# Altium PCB SAMA5D27-SOM1-MFG-03.PcbDoc (part 5 of 6)
Units mm, origin at the board's own origin, x right, y up, seen from the top; angles counter-clockwise.
Board outline 40.03 x 38.03 mm, 6 copper layers (TOP, GND, IN2, IN3, PWR, BOTTOM), stack 1.24 mm thick; 188 components, 224 nets, 901 pads, 644 vias.
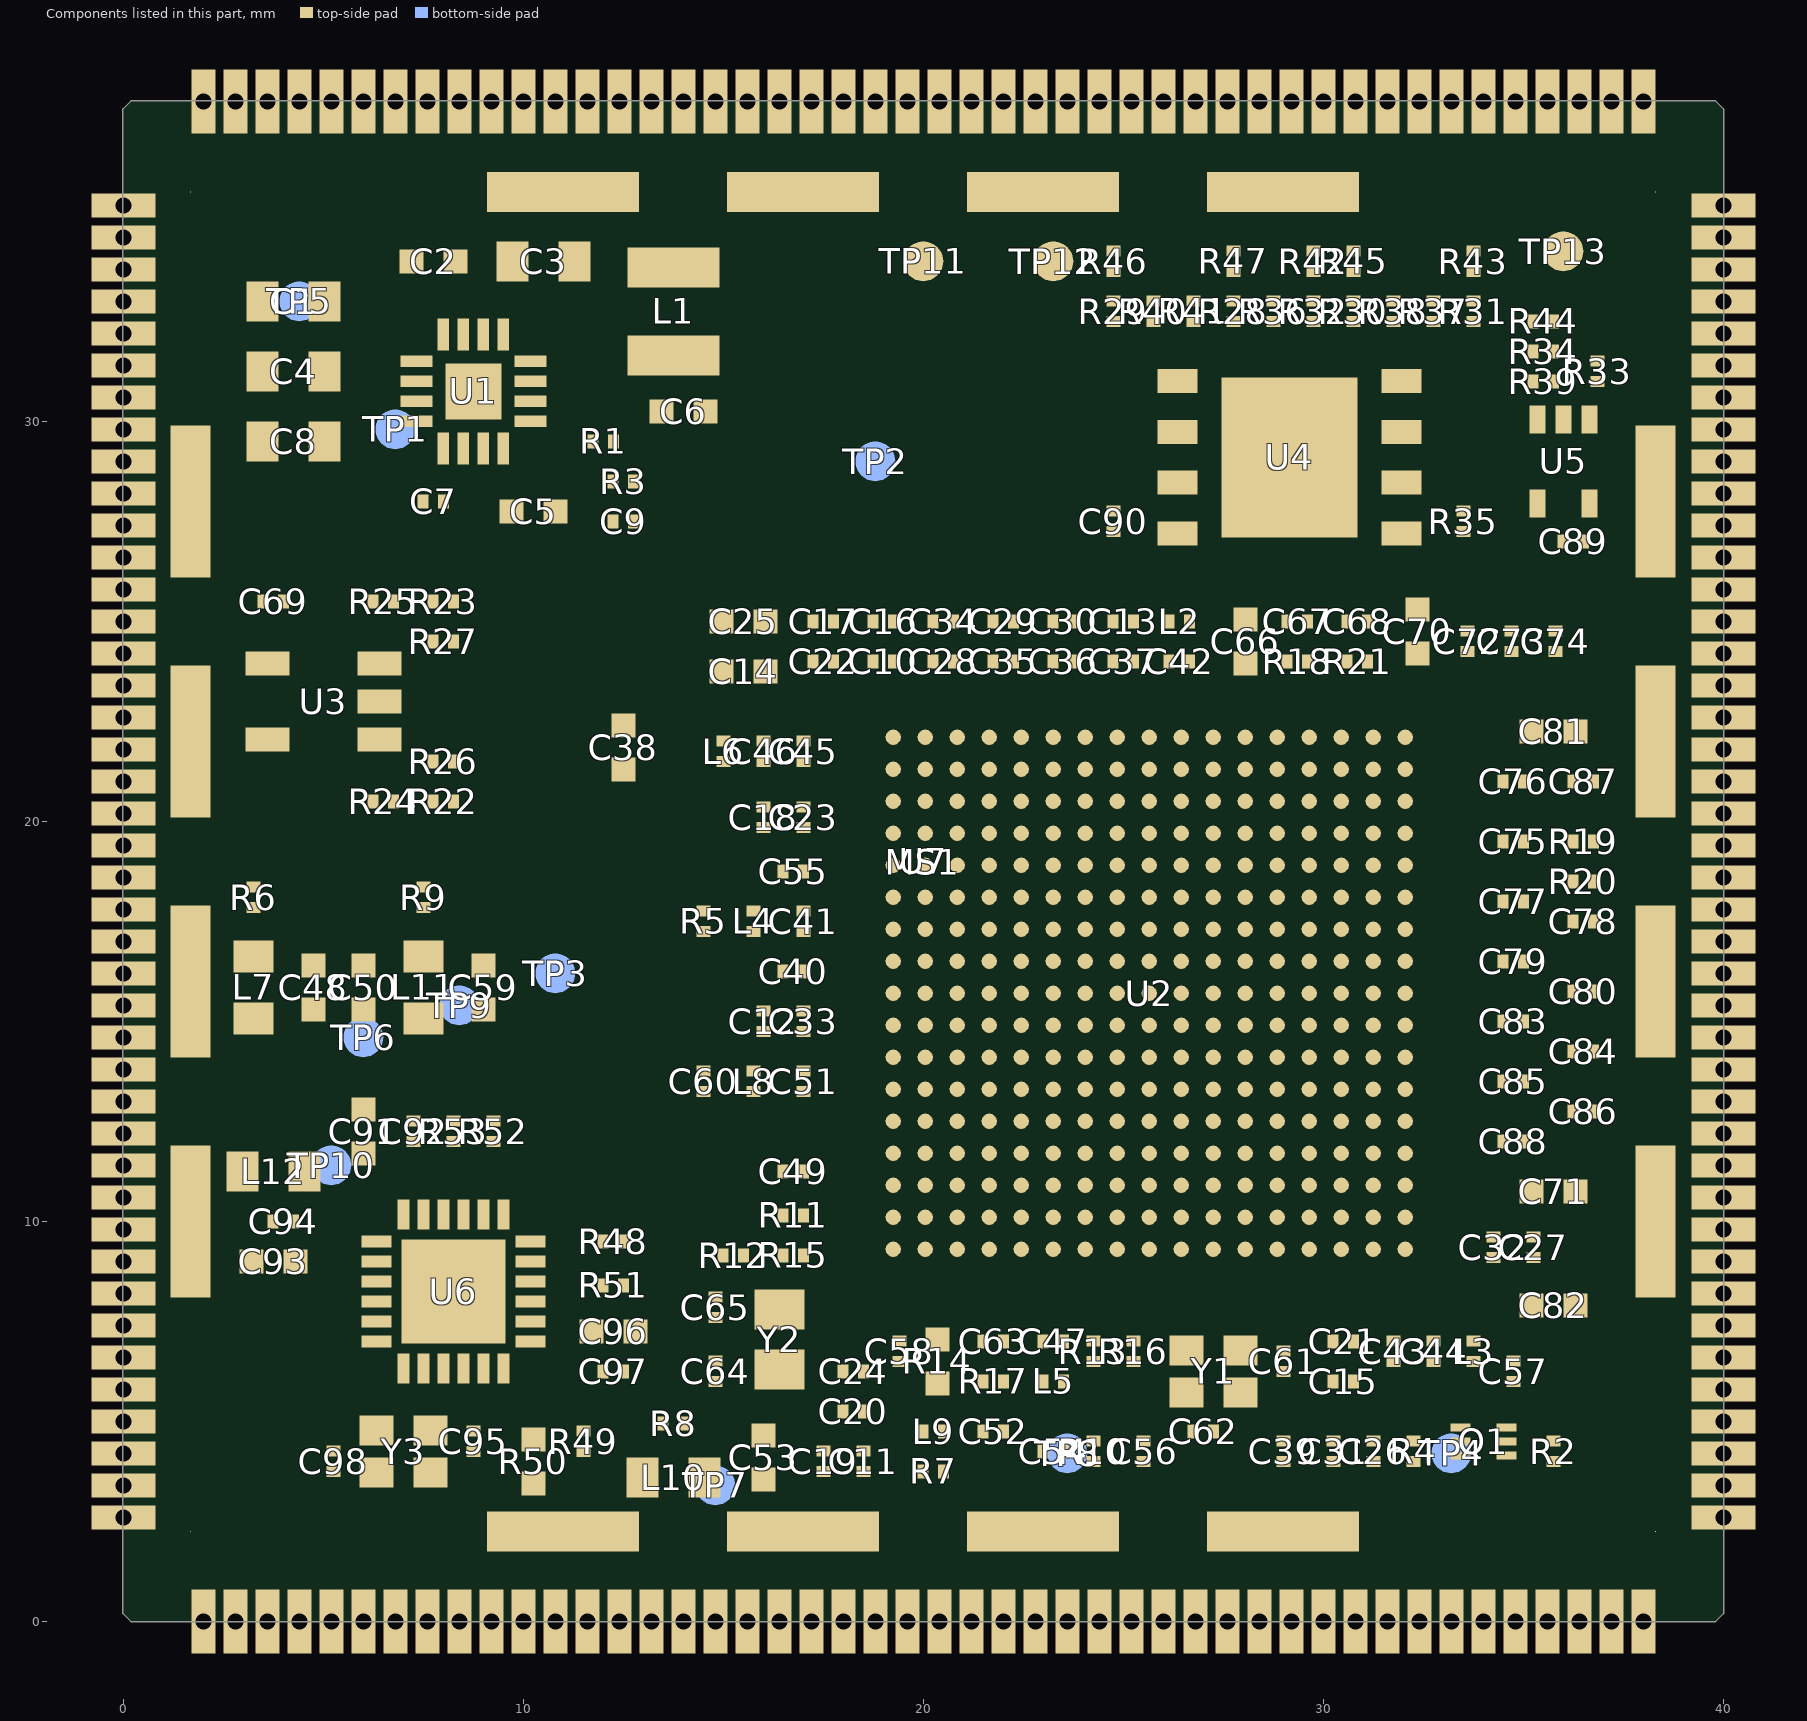
[diagram p9: the components of this part, seen from the top]

## Polygon pours and split planes (outlines as drawn) (continued)
GND on IN2 "IN2-GND 47" (solid, remove dead copper, pour order 1925): 38 vertices, not listed, extent 19.795,33.534 22.455,36.9
GND on IN2 "IN2-GND 48" (solid, remove dead copper, pour order 1933): 318 vertices, not listed, extent 34.495,32.595 38.9,36.9
GND on IN2 "IN2-GND 49" (solid, remove dead copper, pour order 1910): 36 vertices, not listed, extent 1.1,29.195 3.216,30.605
GND on IN2 "IN2-GND 50" (solid, remove dead copper, pour order 1919): 38 vertices, not listed, extent 18.995,32.384 22.205,36.9
GND on IN2 "IN2-GND 51" (solid, remove dead copper, pour order 1946): 67 vertices, not listed, extent 11.839,27.184 19.805,36.9
GND on IN2 "IN2-GND 52" (solid, remove dead copper, pour order 1886): 84 vertices, not listed, extent 24.545,26.7 25.655,28.616
GND on IN2 "IN2-GND 53" (solid, remove dead copper, pour order 1895): 64 vertices, not listed, extent 37.409,23.595 38.9,24.717
GND on IN2 "IN2-GND 54" (solid, remove dead copper, pour order 1892): 70 vertices, not listed, extent 20.945,23.743 21.43,26.808
GND on IN2 "IN2-GND 55" (solid, remove dead copper, pour order 1889): 63 vertices, not listed, extent 23.845,23.581 24.455,25.272
GND on IN2 "IN2-GND 56" (solid, remove dead copper, pour order 1888): 36 vertices, not listed, extent 22.344,23.581 22.955,25.349
GND on IN2 "IN2-GND 57" (solid, remove dead copper, pour order 1941): 86 vertices, not listed, extent 1.1,21.195 7.748,24.805
GND on IN2 "IN2-GND 58" (solid, remove dead copper, pour order 1881): 37 vertices, not listed, extent 19.545,23.678 19.955,25.299
GND on IN2 "IN2-GND 59" (solid, remove dead copper, pour order 1894): 65 vertices, not listed, extent 11.584,21.095 14.547,21.555
GND on IN2 "IN2-GND 60" (solid, remove dead copper, pour order 1944): 376 vertices, not listed, extent 1.1,18.445 10.616,22.455
GND on IN2 "IN2-GND 61" (solid, remove dead copper, pour order 1884): 114 vertices, not listed, extent 26.35,17.495 28.15,17.905
GND on IN2 "IN2-GND 62" (solid, remove dead copper, pour order 1909): 23 vertices, not listed, extent 1.1,17.195 2.928,18.655
GND on IN2 "IN2-GND 63" (solid, remove dead copper, pour order 1905): 123 vertices, not listed, extent 31.15,17.495 34.215,18.805
GND on IN2 "IN2-GND 64" (solid, remove dead copper, pour order 1929): 241 vertices, not listed, extent 1.1,16.395 10.516,17.438
GND on IN2 "IN2-GND 65" (solid, remove dead copper, pour order 1893): 92 vertices, not listed, extent 15.455,16.08 17.204,17.137
GND on IN2 "IN2-GND 66" (solid, remove dead copper, pour order 1879): 90 vertices, not listed, extent 26.645,14 27.366,15.205
GND on IN2 "IN2-GND 67" (solid, remove dead copper, pour order 1880): 65 vertices, not listed, extent 32.034,13.845 33.501,14.44
GND on IN2 "IN2-GND 68" (solid, remove dead copper, pour order 1901): 47 vertices, not listed, extent 36.449,13.195 38.9,14.803
GND on IN2 "IN2-GND 69" (solid, remove dead copper, pour order 1900): 118 vertices, not listed, extent 29.045,13.2 33.64,15.105
GND on IN2 "IN2-GND 70" (solid, remove dead copper, pour order 1902): 38 vertices, not listed, extent 36.945,11.995 38.9,13.416
GND on IN2 "IN2-GND 71" (solid, remove dead copper, pour order 1878): 122 vertices, not listed, extent 27.13,11.095 28.655,11.838
GND on IN2 "IN2-GND 72" (solid, remove dead copper, pour order 1897): 65 vertices, not listed, extent 35.55,9.289 38.9,10.405
GND on IN2 "IN2-GND 73" (solid, remove dead copper, pour order 1906): 74 vertices, not listed, extent 31.945,1.1 33.805,3.249
GND on IN2 "IN2-GND 74" (solid, remove dead copper, pour order 1922): 245 vertices, not listed, extent 29.827,1.1 32.205,6.305
GND on IN2 "IN2-GND 75" (solid, remove dead copper, pour order 1936): 229 vertices, not listed, extent 26.995,1.1 31.405,6.422
GND on IN2 "IN2-GND 76" (solid, remove dead copper, pour order 1921): 202 vertices, not listed, extent 24.422,1.1 28.105,8.647
GMDC_PD17 on IN2 "IN2-GMDC_PD17" (solid, remove dead copper, pour order 1772): 34 vertices, not listed, extent 18.424,14.317 18.861,14.683
GMDC_PD17 on IN2 "IN2-GMDC_PD17 1" (solid, remove dead copper, pour order 1745): 34 vertices, not listed, extent 10.339,14.567 10.776,14.933
GRXDV_PD11 on IN2 "IN2-GRXDV_PD11" (solid, remove dead copper, pour order 1806): 34 vertices, not listed, extent 19.336,14.186 19.722,14.572
GRXDV_PD11 on IN2 "IN2-GRXDV_PD11 1" (solid, remove dead copper, pour order 1770): 34 vertices, not listed, extent 11.589,13.167 12.026,13.533
PB06/TIOA2/PWML2/QSPI1_CS on IN2 "IN2-PB06/TIOA2/PWML2/QSPI1_CS" (solid, remove dead copper, pour order 1865): 34 vertices, not listed, extent 35.441,32.736 35.827,33.122
GTX1_PD16 on IN2 "IN2-GTX1_PD16" (solid, remove dead copper, pour order 1755): 34 vertices, not listed, extent 8.317,11.239 8.683,11.676
GTX1_PD16 on IN2 "IN2-GTX1_PD16 1" (solid, remove dead copper, pour order 1777): 34 vertices, not listed, extent 18.424,13.517 18.861,13.883
QSPI_IO0_PB07 on IN2 "IN2-QSPI_IO0_PB07" (solid, remove dead copper, pour order 1861): 34 vertices, not listed, extent 29.128,33.431 29.514,33.817
QSPI_IO0_PB07 on IN2 "IN2-QSPI_IO0_PB07 1" (solid, remove dead copper, pour order 1852): 34 vertices, not listed, extent 21.978,19.786 22.364,20.172
QSPI_IO1_PB08 on IN2 "IN2-QSPI_IO1_PB08" (solid, remove dead copper, pour order 1831): 34 vertices, not listed, extent 32.886,33.431 33.272,33.817
QSPI_IO1_PB08 on IN2 "IN2-QSPI_IO1_PB08 1" (solid, remove dead copper, pour order 1847): 34 vertices, not listed, extent 21.978,18.986 22.364,19.372
QSPI_IO2_PB09 on IN2 "IN2-QSPI_IO2_PB09" (solid, remove dead copper, pour order 1867): 34 vertices, not listed, extent 30.986,33.673 31.372,34.059
QSPI_IO2_PB09 on IN2 "IN2-QSPI_IO2_PB09 1" (solid, remove dead copper, pour order 1834): 34 vertices, not listed, extent 22.778,20.586 23.164,20.972
QSPI_IO3_PB10 on IN2 "IN2-QSPI_IO3_PB10" (solid, remove dead copper, pour order 1827): 34 vertices, not listed, extent 25.228,33.431 25.614,33.817
QSPI_IO3_PB10 on IN2 "IN2-QSPI_IO3_PB10 1" (solid, remove dead copper, pour order 1758): 34 vertices, not listed, extent 25.339,22.417 25.776,22.783
QSPI_SCK_PB05 on IN2 "IN2-QSPI_SCK_PB05" (solid, remove dead copper, pour order 1781): 34 vertices, not listed, extent 27.017,33.319 27.383,33.756
QSPI_SCK_PB05 on IN2 "IN2-QSPI_SCK_PB05 1" (solid, remove dead copper, pour order 1789): 34 vertices, not listed, extent 26.667,22.489 27.033,22.926
N557076 on IN2 "IN2-N557076" (solid, remove dead copper, pour order 1833): 34 vertices, not listed, extent 17.528,8.436 17.914,8.822
N557076 on IN2 "IN2-N557076 1" (solid, remove dead copper, pour order 1845): 34 vertices, not listed, extent 20.936,10.186 21.322,10.572
VDDIODDR on IN2 "IN2-VDDIODDR" (solid, remove dead copper, pour order 1871): 34 vertices, not listed, extent 11.836,34.228 12.222,34.614
VDDIODDR on IN2 "IN2-VDDIODDR 1" (solid, remove dead copper, pour order 1791): 34 vertices, not listed, extent 6.367,31.489 6.733,31.926
PB05/TCLK2/PWMH2/QSPI1_SCK on IN2 "IN2-PB05/TCLK2/PWMH2/QSPI1_SCK" (solid, remove dead copper, pour order 1846): 34 vertices, not listed, extent 27.678,34.678 28.064,35.064
ETH_RXM on IN2 "IN2-ETH_RXM" (solid, remove dead copper, pour order 1735): 32 vertices, not listed, extent 2.573,6.284 2.907,6.618
PB10/TIOB3/PWMEXTRG1/QSPI1_IO3 on IN2 "IN2-PB10/TIOB3/PWMEXTRG1/QSPI1_IO3" (solid, remove dead copper, pour order 1824): 34 vertices, not listed, extent 24.678,34.678 25.064,35.064
ETH_RXP on IN2 "IN2-ETH_RXP" (solid, remove dead copper, pour order 1737): 32 vertices, not listed, extent 2.573,5.782 2.907,6.116
PB09/TIOA3/PWMFI1/QSPI1_IO2 on IN2 "IN2-PB09/TIOA3/PWMFI1/QSPI1_IO2" (solid, remove dead copper, pour order 1744): 34 vertices, not listed, extent 30.739,34.567 31.176,34.933
PB08/TCLK3/PWML3/QSPI1_IO1 on IN2 "IN2-PB08/TCLK3/PWML3/QSPI1_IO1" (solid, remove dead copper, pour order 1799): 34 vertices, not listed, extent 34.117,33.829 34.483,34.266
ETH_TXM on IN2 "IN2-ETH_TXM" (solid, remove dead copper, pour order 1736): 32 vertices, not listed, extent 2.477,3.884 2.811,4.218
ETH_TXP on IN2 "IN2-ETH_TXP" (solid, remove dead copper, pour order 1734): 32 vertices, not listed, extent 2.477,3.382 2.811,3.716
PB07/TIOB2/PWMH3/QSPI1_IO0 on IN2 "IN2-PB07/TIOB2/PWMH3/QSPI1_IO0" (solid, remove dead copper, pour order 1855): 34 vertices, not listed, extent 29.678,34.678 30.064,35.064
PC00/LCDDAT21/FLEXCOM0_IO4 on IN2 "IN2-PC00/LCDDAT21/FLEXCOM0_IO4" (solid, remove dead copper, pour order 1750): 34 vertices, not listed, extent 37.217,22.274 37.583,22.711
PC00/LCDDAT21/FLEXCOM0_IO4 on IN2 "IN2-PC00/LCDDAT21/FLEXCOM0_IO4 1" (solid, remove dead copper, pour order 1821): 34 vertices, not listed, extent 26.778,12.028 27.164,12.414
PC02/LCDDAT23/CANRX0/SPI1_MOSI/ on IN2 "IN2-PC02/LCDDAT23/CANRX0/SPI1_MOSI/" (solid, remove dead copper, pour order 1832): 34 vertices, not listed, extent 36.928,21.536 37.314,21.922
PC02/LCDDAT23/CANRX0/SPI1_MOSI/ on IN2 "IN2-PC02/LCDDAT23/CANRX0/SPI1_MOSI/ 1" (solid, remove dead copper, pour order 1807): 34 vertices, not listed, extent 25.978,12.028 26.364,12.414
PC07/LCDPCK/TWCK1/SPI1_NPCS3/UR on IN2 "IN2-PC07/LCDPCK/TWCK1/SPI1_NPCS3/UR" (solid, remove dead copper, pour order 1785): 34 vertices, not listed, extent 33.324,13.167 33.761,13.533
PC07/LCDPCK/TWCK1/SPI1_NPCS3/UR on IN2 "IN2-PC07/LCDPCK/TWCK1/SPI1_NPCS3/UR 1" (solid, remove dead copper, pour order 1854): 34 vertices, not listed, extent 30.778,12.828 31.164,13.214
PB30/LCDDAT19/FLEXCOM0_IO2/TCLK on IN2 "IN2-PB30/LCDDAT19/FLEXCOM0_IO2/TCLK" (solid, remove dead copper, pour order 1756): 34 vertices, not listed, extent 10.664,23.742 11.101,24.108
PB30/LCDDAT19/FLEXCOM0_IO2/TCLK on IN2 "IN2-PB30/LCDDAT19/FLEXCOM0_IO2/TCLK 1" (solid, remove dead copper, pour order 1802): 34 vertices, not listed, extent 19.336,20.586 19.722,20.972
PB29/LCDDAT18/FLEXCOM0_IO1/TIOB on IN2 "IN2-PB29/LCDDAT18/FLEXCOM0_IO1/TIOB" (solid, remove dead copper, pour order 1815): 34 vertices, not listed, extent 34.186,21.886 34.572,22.272
PB29/LCDDAT18/FLEXCOM0_IO1/TIOB on IN2 "IN2-PB29/LCDDAT18/FLEXCOM0_IO1/TIOB 1" (solid, remove dead copper, pour order 1872): 34 vertices, not listed, extent 24.378,17.386 24.764,17.772
PB28/LCDDAT17/FLEXCOM0_IO0/TIOA on IN2 "IN2-PB28/LCDDAT17/FLEXCOM0_IO0/TIOA" (solid, remove dead copper, pour order 1809): 34 vertices, not listed, extent 10.603,22.411 10.989,22.797
PB28/LCDDAT17/FLEXCOM0_IO0/TIOA on IN2 "IN2-PB28/LCDDAT17/FLEXCOM0_IO0/TIOA 1" (solid, remove dead copper, pour order 1816): 34 vertices, not listed, extent 19.336,19.786 19.722,20.172
PB25/LCDDAT14/RF0/FLEXCOM3_IO4 on IN2 "IN2-PB25/LCDDAT14/RF0/FLEXCOM3_IO4" (solid, remove dead copper, pour order 1792): 34 vertices, not listed, extent 20.267,22.489 20.633,22.926
PB24/LCDDAT13/RK0/TCLK2/FLEXCOM on IN2 "IN2-PB24/LCDDAT13/RK0/TCLK2/FLEXCOM" (solid, remove dead copper, pour order 1808): 34 vertices, not listed, extent 10.603,21.161 10.989,21.547
PB24/LCDDAT13/RK0/TCLK2/FLEXCOM on IN2 "IN2-PB24/LCDDAT13/RK0/TCLK2/FLEXCOM 1" (solid, remove dead copper, pour order 1810): 34 vertices, not listed, extent 19.336,18.986 19.722,19.372
PB23/LCDDAT12/RD0/TIOB2/FLEXCOM on IN2 "IN2-PB23/LCDDAT12/RD0/TIOB2/FLEXCOM" (solid, remove dead copper, pour order 1862): 34 vertices, not listed, extent 20.136,21.628 20.522,22.014
PB22/LCDDAT11/TD0/TIOA2/FLEXCOM on IN2 "IN2-PB22/LCDDAT11/TD0/TIOA2/FLEXCOM" (solid, remove dead copper, pour order 1823): 34 vertices, not listed, extent 16.728,22.936 17.114,23.322
PB22/LCDDAT11/TD0/TIOA2/FLEXCOM on IN2 "IN2-PB22/LCDDAT11/TD0/TIOA2/FLEXCOM 1" (solid, remove dead copper, pour order 1843): 34 vertices, not listed, extent 20.136,20.828 20.522,21.214
PB20/LCDDAT9/TK0/TIOB3/PCK1 on IN2 "IN2-PB20/LCDDAT9/TK0/TIOB3/PCK1" (solid, remove dead copper, pour order 1753): 34 vertices, not listed, extent 21.067,22.489 21.433,22.926
PB19/LCDDAT8/RF1/TIOA3 on IN2 "IN2-PB19/LCDDAT8/RF1/TIOA3" (solid, remove dead copper, pour order 1873): 34 vertices, not listed, extent 20.936,21.628 21.322,22.014
PB18/LCDDAT7/RK1/I2SDO1 on IN2 "IN2-PB18/LCDDAT7/RK1/I2SDO1" (solid, remove dead copper, pour order 1738): 33 vertices, not listed, extent 21.872,22.489 22.228,22.886
PB17/LCDDAT6/RD1/I2SDI1 on IN2 "IN2-PB17/LCDDAT6/RD1/I2SDI1" (solid, remove dead copper, pour order 1786): 34 vertices, not listed, extent 21.042,27.064 21.408,27.501
PB16/LCDDAT5/TD1/I2SWS1 on IN2 "IN2-PB16/LCDDAT5/TD1/I2SWS1" (solid, remove dead copper, pour order 1835): 34 vertices, not listed, extent 21.736,21.628 22.122,22.014
PB14/LCDDAT3/TK1/I2SMCK1 on IN2 "IN2-PB14/LCDDAT3/TK1/I2SMCK1" (solid, remove dead copper, pour order 1790): 34 vertices, not listed, extent 22.667,22.489 23.033,22.926
PB13/LCDDAT2/PCK1 on IN2 "IN2-PB13/LCDDAT2/PCK1" (solid, remove dead copper, pour order 1754): 34 vertices, not listed, extent 21.817,27.539 22.183,27.976
PB12/LCDDAT1/UTXD3/PDMCLK0 on IN2 "IN2-PB12/LCDDAT1/UTXD3/PDMCLK0" (solid, remove dead copper, pour order 1874): 34 vertices, not listed, extent 22.536,21.628 22.922,22.014
PB11/LCDDAT0/URXD3/PDMDAT0 on IN2 "IN2-PB11/LCDDAT0/URXD3/PDMDAT0" (solid, remove dead copper, pour order 1856): 34 vertices, not listed, extent 23.336,22.428 23.722,22.814
PD01/A24 on IN2 "IN2-PD01/A24" (solid, remove dead copper, pour order 1800): 34 vertices, not listed, extent 32.339,22.767 32.776,23.133
PA09/SDMMC0_DAT7/TIOA4/FLEXCOM2 on IN2 "IN2-PA09/SDMMC0_DAT7/TIOA4/FLEXCOM2" (solid, remove dead copper, pour order 1858): 34 vertices, not listed, extent 25.236,7.478 25.622,7.864
PA09/SDMMC0_DAT7/TIOA4/FLEXCOM2 on IN2 "IN2-PA09/SDMMC0_DAT7/TIOA4/FLEXCOM2 1" (solid, remove dead copper, pour order 1868): 34 vertices, not listed, extent 24.378,10.986 24.764,11.372
PA07/SDMMC0_DAT5/TIOB5/FLEXCOM2 on IN3 "IN3-PA07/SDMMC0_DAT5/TIOB5/FLEXCOM2" (solid, remove dead copper, pour order 1962): 34 vertices, not listed, extent 27.717,3.374 28.083,3.811
PIOBU2 on IN3 "IN3-PIOBU2" (solid, remove dead copper, pour order 2046): 34 vertices, not listed, extent 2.528,9.686 2.914,10.072
PIOBU7 on IN3 "IN3-PIOBU7" (solid, remove dead copper, pour order 1986): 34 vertices, not listed, extent 3.417,7.824 3.783,8.261
PIOBU4 on IN3 "IN3-PIOBU4" (solid, remove dead copper, pour order 1981): 34 vertices, not listed, extent 3.867,7.474 4.233,7.911
WKUP on IN3 "IN3-WKUP" (solid, remove dead copper, pour order 2018): 34 vertices, not listed, extent 15.928,9.836 16.314,10.222
PD19/PCK0/TWD1/AD0 on IN3 "IN3-PD19/PCK0/TWD1/AD0" (solid, remove dead copper, pour order 1956): 32 vertices, not listed, extent 24.439,13.533 24.795,13.867
PD19/PCK0/TWD1/AD0 on IN3 "IN3-PD19/PCK0/TWD1/AD0 1" (solid, remove dead copper, pour order 2003): 34 vertices, not listed, extent 15.053,5.153 15.439,5.539
PD30/JTAG_TMS on IN3 "IN3-PD30/JTAG_TMS" (solid, remove dead copper, pour order 1991): 34 vertices, not listed, extent 25.736,12.586 26.122,12.972
PD29/JTAG_TDO on IN3 "IN3-PD29/JTAG_TDO" (solid, remove dead copper, pour order 1979): 34 vertices, not listed, extent 8.767,3.389 9.133,3.826
PD29/JTAG_TDO on IN3 "IN3-PD29/JTAG_TDO 1" (solid, remove dead copper, pour order 1982): 34 vertices, not listed, extent 10.167,11.424 10.533,11.861
PD27/JTAG_TCK on IN3 "IN3-PD27/JTAG_TCK" (solid, remove dead copper, pour order 1995): 34 vertices, not listed, extent 23.578,13.386 23.964,13.772
SHDN on IN3 "IN3-SHDN" (solid, remove dead copper, pour order 2001): 34 vertices, not listed, extent 34.886,2.886 35.272,3.272
SHDN on IN3 "IN3-SHDN 1" (solid, remove dead copper, pour order 1953): 32 vertices, not listed, extent 16.505,4.005 16.712,4.212
NRST on IN3 "IN3-NRST" (solid, remove dead copper, pour order 1975): 34 vertices, not listed, extent 8.067,12.574 8.433,13.011
NRST on IN3 "IN3-NRST 1" (solid, remove dead copper, pour order 1999): 34 vertices, not listed, extent 7.936,12.928 8.322,13.314
NRST on IN3 "IN3-NRST 2" (solid, remove dead copper, pour order 1993): 34 vertices, not listed, extent 6.286,28.286 6.672,28.672
NRST on IN3 "IN3-NRST 3" (solid, remove dead copper, pour order 2042): 34 vertices, not listed, extent 10.636,3.286 11.022,3.672
NRST on IN3 "IN3-NRST 4" (solid, remove dead copper, pour order 1960): 34 vertices, not listed, extent 15.239,4.267 15.676,4.633
NRST on IN3 "IN3-NRST 5" (solid, remove dead copper, pour order 1984): 34 vertices, not listed, extent 15.067,4.024 15.433,4.461
NRST on IN3 "IN3-NRST 6" (solid, remove dead copper, pour order 2032): 34 vertices, not listed, extent 23.936,3.186 24.322,3.572
NRST on IN3 "IN3-NRST 7" (solid, remove dead copper, pour order 2045): 34 vertices, not listed, extent 24.178,3.428 24.564,3.814
NRST on IN3 "IN3-NRST 8" (solid, remove dead copper, pour order 1980): 34 vertices, not listed, extent 35.324,4.817 35.761,5.183
PC08/LCDDEN/FIQ/PCK0/UTXD1 on IN3 "IN3-PC08/LCDDEN/FIQ/PCK0/UTXD1" (solid, remove dead copper, pour order 2052): 34 vertices, not listed, extent 29.178,12.828 29.564,13.214
EEPROM_TWD_PD21 on IN3 "IN3-EEPROM_TWD_PD21" (solid, remove dead copper, pour order 2035): 34 vertices, not listed, extent 7.431,23.636 7.817,24.022
EEPROM_TWD_PD21 on IN3 "IN3-EEPROM_TWD_PD21 1" (solid, remove dead copper, pour order 1985): 34 vertices, not listed, extent 18.074,11.517 18.511,11.883
PA28/TIOB1/SPI0_NPCS3/SPI1_NPCS on IN3 "IN3-PA28/TIOB1/SPI0_NPCS3/SPI1_NPCS" (solid, remove dead copper, pour order 1992): 34 vertices, not listed, extent 29.978,10.186 30.364,10.572
PA30/SPI0_NPCS0/PWMH0/SDMMC1_CD on IN3 "IN3-PA30/SPI0_NPCS0/PWMH0/SDMMC1_CD" (solid, remove dead copper, pour order 2044): 34 vertices, not listed, extent 29.178,10.186 29.564,10.572
EEPROM_TWCK_PD22 on IN3 "IN3-EEPROM_TWCK_PD22" (solid, remove dead copper, pour order 2000): 34 vertices, not listed, extent 7.431,21.736 7.817,22.122
EEPROM_TWCK_PD22 on IN3 "IN3-EEPROM_TWCK_PD22 1" (solid, remove dead copper, pour order 2050): 34 vertices, not listed, extent 22.536,13.386 22.922,13.772
PC29/FLEXCOM4_IO1/A18 on IN3 "IN3-PC29/FLEXCOM4_IO1/A18" (solid, remove dead copper, pour order 2034): 34 vertices, not listed, extent 30.311,22.661 30.697,23.047
PC29/FLEXCOM4_IO1/A18 on IN3 "IN3-PC29/FLEXCOM4_IO1/A18 1" (solid, remove dead copper, pour order 2016): 34 vertices, not listed, extent 25.978,21.628 26.364,22.014
LOWQ# on IN3 "IN3-LOWQ#" (solid, remove dead copper, pour order 1990): 34 vertices, not listed, extent 6.636,27.736 7.022,28.122
LOWQ# on IN3 "IN3-LOWQ# 1" (solid, remove dead copper, pour order 1963): 34 vertices, not listed, extent 13.817,8.839 14.183,9.276
PB00/SPI0_MOSI/PWMH1 on IN3 "IN3-PB00/SPI0_MOSI/PWMH1" (solid, remove dead copper, pour order 1994): 34 vertices, not listed, extent 22.178,26.086 22.564,26.472
PB00/SPI0_MOSI/PWMH1 on IN3 "IN3-PB00/SPI0_MOSI/PWMH1 1" (solid, remove dead copper, pour order 2005): 34 vertices, not listed, extent 21.978,18.428 22.364,18.814
PC27/PCK1/CANRX1/A16 on IN3 "IN3-PC27/PCK1/CANRX1/A16" (solid, remove dead copper, pour order 2029): 34 vertices, not listed, extent 31.136,22.836 31.522,23.222
PC27/PCK1/CANRX1/A16 on IN3 "IN3-PC27/PCK1/CANRX1/A16 1" (solid, remove dead copper, pour order 1969): 34 vertices, not listed, extent 26.839,21.517 27.276,21.883
PA31/SPI0_MISO/PWML0/CLASSD_L3 on IN3 "IN3-PA31/SPI0_MISO/PWML0/CLASSD_L3" (solid, remove dead copper, pour order 2056): 34 vertices, not listed, extent 28.936,10.986 29.322,11.372
PC28/FLEXCOM4_IO0/PCK2/A17 on IN3 "IN3-PC28/FLEXCOM4_IO0/PCK2/A17" (solid, remove dead copper, pour order 2020): 34 vertices, not listed, extent 22.778,18.428 23.164,18.814
PD02/URXD1/A25 on IN3 "IN3-PD02/URXD1/A25" (solid, remove dead copper, pour order 1987): 34 vertices, not listed, extent 3.917,25.674 4.283,26.111
PD02/URXD1/A25 on IN3 "IN3-PD02/URXD1/A25 1" (solid, remove dead copper, pour order 2030): 34 vertices, not listed, extent 25.236,26.086 25.622,26.472
PD02/URXD1/A25 on IN3 "IN3-PD02/URXD1/A25 2" (solid, remove dead copper, pour order 2025): 34 vertices, not listed, extent 24.378,20.028 24.764,20.414
PA29/TCLK1/SPI0_NPCS1/SDMMC1_WP on IN3 "IN3-PA29/TCLK1/SPI0_NPCS1/SDMMC1_WP" (solid, remove dead copper, pour order 2021): 34 vertices, not listed, extent 29.978,10.986 30.364,11.372
PD24/DBGU_TXD on IN3 "IN3-PD24/DBGU_TXD" (solid, remove dead copper, pour order 2014): 34 vertices, not listed, extent 14.878,13.986 15.264,14.372
PD24/DBGU_TXD on IN3 "IN3-PD24/DBGU_TXD 1" (solid, remove dead copper, pour order 2031): 34 vertices, not listed, extent 20.936,13.628 21.322,14.014
PC30/FLEXCOM4_IO2/A19 on IN3 "IN3-PC30/FLEXCOM4_IO2/A19" (solid, remove dead copper, pour order 2047): 34 vertices, not listed, extent 23.636,26.436 24.022,26.822
PC30/FLEXCOM4_IO2/A19 on IN3 "IN3-PC30/FLEXCOM4_IO2/A19 1" (solid, remove dead copper, pour order 2053): 34 vertices, not listed, extent 22.778,19.228 23.164,19.614
PD00/FLEXCOM4_IO4/UTXD3/A23 on IN3 "IN3-PD00/FLEXCOM4_IO4/UTXD3/A23" (solid, remove dead copper, pour order 2023): 34 vertices, not listed, extent 23.878,27.136 24.264,27.522
PD00/FLEXCOM4_IO4/UTXD3/A23 on IN3 "IN3-PD00/FLEXCOM4_IO4/UTXD3/A23 1" (solid, remove dead copper, pour order 2002): 34 vertices, not listed, extent 23.578,19.228 23.964,19.614
PC18/ISI_D9/FLEXCOM3_IO2/A7 on IN3 "IN3-PC18/ISI_D9/FLEXCOM3_IO2/A7" (solid, remove dead copper, pour order 1961): 34 vertices, not listed, extent 16.539,32.867 16.976,33.233
PC18/ISI_D9/FLEXCOM3_IO2/A7 on IN3 "IN3-PC18/ISI_D9/FLEXCOM3_IO2/A7 1" (solid, remove dead copper, pour order 2017): 34 vertices, not listed, extent 25.978,17.628 26.364,18.014
PA17/SPI0_NPCS0/RD1/QSPI0_IO1/I on IN3 "IN3-PA17/SPI0_NPCS0/RD1/QSPI0_IO1/I" (solid, remove dead copper, pour order 2007): 34 vertices, not listed, extent 29.978,11.786 30.364,12.172
PC16/ISI_D7/RK0/A5 on IN3 "IN3-PC16/ISI_D7/RK0/A5" (solid, remove dead copper, pour order 1958): 34 vertices, not listed, extent 16.539,32.067 16.976,32.433
PC16/ISI_D7/RK0/A5 on IN3 "IN3-PC16/ISI_D7/RK0/A5 1" (solid, remove dead copper, pour order 2057): 34 vertices, not listed, extent 22.778,17.628 23.164,18.014
PC14/ISI_D5/TD0/A3 on IN3 "IN3-PC14/ISI_D5/TD0/A3" (solid, remove dead copper, pour order 2051): 34 vertices, not listed, extent 19.178,26.236 19.564,26.622
PC14/ISI_D5/TD0/A3 on IN3 "IN3-PC14/ISI_D5/TD0/A3 1" (solid, remove dead copper, pour order 2022): 34 vertices, not listed, extent 21.736,17.628 22.122,18.014
PC10/ISI_D1/TIOB4/CANTX0 on IN3 "IN3-PC10/ISI_D1/TIOB4/CANTX0" (solid, remove dead copper, pour order 2038): 34 vertices, not listed, extent 14.278,19.486 14.664,19.872
PC10/ISI_D1/TIOB4/CANTX0 on IN3 "IN3-PC10/ISI_D1/TIOB4/CANTX0 1" (solid, remove dead copper, pour order 2054): 34 vertices, not listed, extent 20.936,17.628 21.322,18.014
PC20/ISI_D11/FLEXCOM3_IO0/A9 on IN3 "IN3-PC20/ISI_D11/FLEXCOM3_IO0/A9" (solid, remove dead copper, pour order 2024): 34 vertices, not listed, extent 12.478,18.336 12.864,18.722
PC20/ISI_D11/FLEXCOM3_IO0/A9 on IN3 "IN3-PC20/ISI_D11/FLEXCOM3_IO0/A9 1" (solid, remove dead copper, pour order 2043): 34 vertices, not listed, extent 20.936,16.828 21.322,17.214
PC25/ISI_FIELD/A14 on IN3 "IN3-PC25/ISI_FIELD/A14" (solid, remove dead copper, pour order 1965): 34 vertices, not listed, extent 15.889,32.467 16.326,32.833
PC25/ISI_FIELD/A14 on IN3 "IN3-PC25/ISI_FIELD/A14 1" (solid, remove dead copper, pour order 2041): 34 vertices, not listed, extent 24.378,16.828 24.764,17.214
PC23/ISI_HSYNC/A12 on IN3 "IN3-PC23/ISI_HSYNC/A12" (solid, remove dead copper, pour order 1966): 34 vertices, not listed, extent 15.889,33.267 16.326,33.633
PC23/ISI_HSYNC/A12 on IN3 "IN3-PC23/ISI_HSYNC/A12 1" (solid, remove dead copper, pour order 2006): 34 vertices, not listed, extent 25.978,16.828 26.364,17.214
GND on IN3 "IN3-GND" (solid, remove dead copper, pour order 2114): 1039 vertices, not listed, extent 14.383,24.509 36.205,36.9
GND on IN3 "IN3-GND 1" (solid, remove dead copper, pour order 2085): 139 vertices, not listed, extent 22.095,23.506 22.93,25.686
GND on IN3 "IN3-GND 2" (solid, remove dead copper, pour order 2088): 261 vertices, not listed, extent 36.359,20.164 37.705,22.451
GND on IN3 "IN3-GND 3" (solid, remove dead copper, pour order 2115): 2541 vertices, not listed, extent 15.695,19.341 33.805,32.406
GND on IN3 "IN3-GND 4" (solid, remove dead copper, pour order 2083): 153 vertices, not listed, extent 37.095,17.934 38.205,20.216
GND on IN3 "IN3-GND 5" (solid, remove dead copper, pour order 2065): 71 vertices, not listed, extent 15.485,17.445 17.016,18.139
GND on IN3 "IN3-GND 6" (solid, remove dead copper, pour order 2064): 67 vertices, not listed, extent 26.33,17.495 28.15,17.905
GND on IN3 "IN3-GND 7" (solid, remove dead copper, pour order 2101): 196 vertices, not listed, extent 31.061,15.745 35.705,20.141
GND on IN3 "IN3-GND 8" (solid, remove dead copper, pour order 2060): 108 vertices, not listed, extent 34.258,14.545 36.06,15.18
GND on IN3 "IN3-GND 9" (solid, remove dead copper, pour order 2106): 844 vertices, not listed, extent 21.061,14.295 30.639,18.689
GND on IN3 "IN3-GND 10" (solid, remove dead copper, pour order 2086): 124 vertices, not listed, extent 15.708,13.545 18.562,14.689
GND on IN3 "IN3-GND 11" (solid, remove dead copper, pour order 2093): 269 vertices, not listed, extent 21.061,13.495 24.17,15.105
GND on IN3 "IN3-GND 12" (solid, remove dead copper, pour order 2068): 73 vertices, not listed, extent 36.38,13.347 37.855,15.016
GND on IN3 "IN3-GND 13" (solid, remove dead copper, pour order 2077): 221 vertices, not listed, extent 33.945,13.145 36.034,14.22
GND on IN3 "IN3-GND 14" (solid, remove dead copper, pour order 2095): 403 vertices, not listed, extent 12.605,12.98 18.55,14.955
GND on IN3 "IN3-GND 15" (solid, remove dead copper, pour order 2094): 277 vertices, not listed, extent 17.349,11.045 20.17,13.105
GND on IN3 "IN3-GND 16" (solid, remove dead copper, pour order 2100): 202 vertices, not listed, extent 35.461,8.639 38.9,11.711
GND on IN3 "IN3-GND 17" (solid, remove dead copper, pour order 2105): 559 vertices, not listed, extent 11.795,8.195 17.591,13.285
GND on IN3 "IN3-GND 18" (solid, remove dead copper, pour order 2103): 1014 vertices, not listed, extent 30.645,7.445 38.9,10.705
GND on IN3 "IN3-GND 19" (solid, remove dead copper, pour order 2111): 1439 vertices, not listed, extent 25.164,7.012 33.969,14.705
GND on IN3 "IN3-GND 20" (solid, remove dead copper, pour order 2090): 201 vertices, not listed, extent 29.327,6.909 34.499,8.62
GND on IN3 "IN3-GND 21" (solid, remove dead copper, pour order 2109): 748 vertices, not listed, extent 14.084,6.295 24.655,11.838
GND on IN3 "IN3-GND 22" (solid, remove dead copper, pour order 2107): 642 vertices, not listed, extent 7.745,3.095 10.555,14.749
GND on IN3 "IN3-GND 23" (solid, remove dead copper, pour order 2110): 460 vertices, not listed, extent 9.045,3.095 16.205,10.016
GND on IN3 "IN3-GND 24" (solid, remove dead copper, pour order 2092): 183 vertices, not listed, extent 16.859,2.995 20.618,4.242
GND on IN3 "IN3-GND 25" (solid, remove dead copper, pour order 2116): 2933 vertices, not listed, extent 1.1,1.1 17.346,36.9
GND on IN3 "IN3-GND 26" (solid, remove dead copper, pour order 2108): 89 vertices, not listed, extent 4.245,1.1 7.748,7.925
GND on IN3 "IN3-GND 27" (solid, remove dead copper, pour order 2113): 2196 vertices, not listed, extent 16.534,1.1 38.9,7.805
GND on IN3 "IN3-GND 28" (solid, remove dead copper, pour order 2074): 37 vertices, not listed, extent 30.195,35.245 32.066,36.9
GND on IN3 "IN3-GND 29" (solid, remove dead copper, pour order 2076): 34 vertices, not listed, extent 9.395,35.434 10.605,36.9
GND on IN3 "IN3-GND 30" (solid, remove dead copper, pour order 2098): 64 vertices, not listed, extent 34.439,34.589 38.9,36.9
GND on IN3 "IN3-GND 31" (solid, remove dead copper, pour order 2062): 66 vertices, not listed, extent 31.189,35.495 33.116,36.9
GND on IN3 "IN3-GND 32" (solid, remove dead copper, pour order 2099): 63 vertices, not listed, extent 37.83,23.834 38.205,34.181
GND on IN3 "IN3-GND 33" (solid, remove dead copper, pour order 2070): 95 vertices, not listed, extent 24.045,22 24.655,25.366
GND on IN3 "IN3-GND 34" (solid, remove dead copper, pour order 2066): 91 vertices, not listed, extent 35.07,21.419 36.505,23.965
GND on IN3 "IN3-GND 35" (solid, remove dead copper, pour order 2061): 97 vertices, not listed, extent 35.295,20.304 36.137,21.558
GND on IN3 "IN3-GND 36" (solid, remove dead copper, pour order 2102): 92 vertices, not listed, extent 26.35,19.895 32.855,22.516
GND on IN3 "IN3-GND 37" (solid, remove dead copper, pour order 2072): 114 vertices, not listed, extent 27.95,19.095 30.55,19.505
GND on IN3 "IN3-GND 38" (solid, remove dead copper, pour order 2089): 191 vertices, not listed, extent 14.945,19.209 18.55,21.766
GND on IN3 "IN3-GND 39" (solid, remove dead copper, pour order 2067): 93 vertices, not listed, extent 31.15,18.295 33.005,19.516
GND on IN3 "IN3-GND 40" (solid, remove dead copper, pour order 2059): 91 vertices, not listed, extent 23.95,18.295 25.205,19.016
GND on IN3 "IN3-GND 41" (solid, remove dead copper, pour order 2091): 182 vertices, not listed, extent 15.534,18.295 18.55,19.505
GND on IN3 "IN3-GND 42" (solid, remove dead copper, pour order 2071): 114 vertices, not listed, extent 27.95,18.295 30.55,18.705
GND on IN3 "IN3-GND 43" (solid, remove dead copper, pour order 2069): 94 vertices, not listed, extent 31.15,17.495 33.355,18.616
GND on IN3 "IN3-GND 44" (solid, remove dead copper, pour order 2082): 114 vertices, not listed, extent 27.15,16.695 30.55,17.105
GND on IN3 "IN3-GND 45" (solid, remove dead copper, pour order 2079): 274 vertices, not listed, extent 34.64,15.345 36.415,17.372
GND on IN3 "IN3-GND 46" (solid, remove dead copper, pour order 2080): 68 vertices, not listed, extent 36.795,14.954 37.455,17.956
GND on IN3 "IN3-GND 47" (solid, remove dead copper, pour order 2063): 73 vertices, not listed, extent 32.184,14.695 33.67,15.255
GND on IN3 "IN3-GND 48" (solid, remove dead copper, pour order 2078): 44 vertices, not listed, extent 27.445,13.98 30.766,15.055
GND on IN3 "IN3-GND 49" (solid, remove dead copper, pour order 2081): 43 vertices, not listed, extent 36.064,12.495 38.205,14.216
GND on IN3 "IN3-GND 50" (solid, remove dead copper, pour order 2096): 263 vertices, not listed, extent 33.284,11.095 38.455,12.966
GND on IN3 "IN3-GND 51" (solid, remove dead copper, pour order 2097): 132 vertices, not listed, extent 16.245,6.734 24.366,8.955
GND on IN3 "IN3-GND 52" (solid, remove dead copper, pour order 2084): 87 vertices, not listed, extent 35.548,5.845 38.9,6.588
GND on IN3 "IN3-GND 53" (solid, remove dead copper, pour order 2073): 42 vertices, not listed, extent 15.417,5.045 18.416,8.105
GND on IN3 "IN3-GND 54" (solid, remove dead copper, pour order 2104): 71 vertices, not listed, extent 11.339,1.1 15.405,4.655
GND on IN3 "IN3-GND 55" (solid, remove dead copper, pour order 2087): 66 vertices, not listed, extent 28.795,3.245 31.97,4.002
GND on IN3 "IN3-GND 56" (solid, remove dead copper, pour order 2075): 81 vertices, not listed, extent 24.078,2.995 26.872,4.655
GND on IN3 "IN3-GND 57" (solid, remove dead copper, pour order 2112): 87 vertices, not listed, extent 15.445,1.1 30.461,4.355
ETH_INT_IRQ_PD31 on IN3 "IN3-ETH_INT_IRQ_PD31" (solid, remove dead copper, pour order 1964): 34 vertices, not listed, extent 11.569,9.867 12.006,10.233
ETH_INT_IRQ_PD31 on IN3 "IN3-ETH_INT_IRQ_PD31 1" (solid, remove dead copper, pour order 2013): 34 vertices, not listed, extent 24.136,12.586 24.522,12.972
GMDIO_PD18 on IN3 "IN3-GMDIO_PD18" (solid, remove dead copper, pour order 2008): 34 vertices, not listed, extent 14.728,15.578 15.114,15.964
GMDIO_PD18 on IN3 "IN3-GMDIO_PD18 1" (solid, remove dead copper, pour order 2039): 34 vertices, not listed, extent 23.336,15.786 23.722,16.172
GMDC_PD17 on IN3 "IN3-GMDC_PD17" (solid, remove dead copper, pour order 2033): 34 vertices, not listed, extent 10.278,14.436 10.664,14.822
GMDC_PD17 on IN3 "IN3-GMDC_PD17 1" (solid, remove dead copper, pour order 1978): 34 vertices, not listed, extent 10.617,5.739 10.983,6.176
GRXDV_PD11 on IN3 "IN3-GRXDV_PD11" (solid, remove dead copper, pour order 1988): 34 vertices, not listed, extent 11.417,12.924 11.783,13.361
GRXDV_PD11 on IN3 "IN3-GRXDV_PD11 1" (solid, remove dead copper, pour order 2058): 34 vertices, not listed, extent 11.923,8.878 12.309,9.264
GRXER_PD12 on IN3 "IN3-GRXER_PD12" (solid, remove dead copper, pour order 2012): 34 vertices, not listed, extent 11.228,8.686 11.614,9.072
GRXER_PD12 on IN3 "IN3-GRXER_PD12 1" (solid, remove dead copper, pour order 1989): 34 vertices, not listed, extent 25.736,14.186 26.122,14.572
GRX0_PD13 on IN3 "IN3-GRX0_PD13" (solid, remove dead copper, pour order 2036): 34 vertices, not listed, extent 10.786,6.578 11.172,6.964
GRX0_PD13 on IN3 "IN3-GRX0_PD13 1" (solid, remove dead copper, pour order 1972): 34 vertices, not listed, extent 10.967,11.874 11.333,12.311
GRX1_PD14 on IN3 "IN3-GRX1_PD14" (solid, remove dead copper, pour order 1959): 34 vertices, not listed, extent 14.089,14.417 14.526,14.783
GRX1_PD14 on IN3 "IN3-GRX1_PD14 1" (solid, remove dead copper, pour order 1997): 34 vertices, not listed, extent 21.736,14.428 22.122,14.814
GTX0_PD15 on IN3 "IN3-GTX0_PD15" (solid, remove dead copper, pour order 1968): 34 vertices, not listed, extent 12.939,14.967 13.376,15.333
GTX0_PD15 on IN3 "IN3-GTX0_PD15 1" (solid, remove dead copper, pour order 2028): 34 vertices, not listed, extent 24.136,14.428 24.522,14.814
PC01/LCDDAT22/CANTX0/SPI1_SPCK/ on IN3 "IN3-PC01/LCDDAT22/CANTX0/SPI1_SPCK/" (solid, remove dead copper, pour order 2010): 34 vertices, not listed, extent 27.336,12.028 27.722,12.414
GTXCK_PD09 on IN3 "IN3-GTXCK_PD09" (solid, remove dead copper, pour order 2055): 34 vertices, not listed, extent 13.978,15.578 14.364,15.964
GTXCK_PD09 on IN3 "IN3-GTXCK_PD09 1" (solid, remove dead copper, pour order 2009): 34 vertices, not listed, extent 20.936,16.028 21.322,16.414
PC00/LCDDAT21/FLEXCOM0_IO4 on IN3 "IN3-PC00/LCDDAT21/FLEXCOM0_IO4" (solid, remove dead copper, pour order 1957): 33 vertices, not listed, extent 34.464,28.872 34.861,29.228
PB31/LCDDAT20/FLEXCOM0_IO3 on IN3 "IN3-PB31/LCDDAT20/FLEXCOM0_IO3" (solid, remove dead copper, pour order 2019): 34 vertices, not listed, extent 23.578,17.386 23.964,17.772
PC04/LCDDISP/TIOB1/SPI1_NPCS0/I on IN3 "IN3-PC04/LCDDISP/TIOB1/SPI1_NPCS0/I" (solid, remove dead copper, pour order 1998): 34 vertices, not listed, extent 30.778,12.028 31.164,12.414
PC03/LCDPWM/TIOA1/SPI1_MISO/I2S on IN3 "IN3-PC03/LCDPWM/TIOA1/SPI1_MISO/I2S" (solid, remove dead copper, pour order 2027): 34 vertices, not listed, extent 26.536,12.828 26.922,13.214
PC02/LCDDAT23/CANRX0/SPI1_MOSI/ on IN3 "IN3-PC02/LCDDAT23/CANRX0/SPI1_MOSI/" (solid, remove dead copper, pour order 2015): 34 vertices, not listed, extent 33.986,28.578 34.372,28.964
PC07/LCDPCK/TWCK1/SPI1_NPCS3/UR on IN3 "IN3-PC07/LCDPCK/TWCK1/SPI1_NPCS3/UR" (solid, remove dead copper, pour order 1976): 34 vertices, not listed, extent 33.567,13.339 33.933,13.776
PC06/LCDHSYNC/TWD1/SPI1_NPCS2 on IN3 "IN3-PC06/LCDHSYNC/TWD1/SPI1_NPCS2" (solid, remove dead copper, pour order 2011): 34 vertices, not listed, extent 27.578,13.628 27.964,14.014
PC05/LCDVSYNC/TCLK1/SPI1_NPCS1/ on IN3 "IN3-PC05/LCDVSYNC/TCLK1/SPI1_NPCS1/" (solid, remove dead copper, pour order 1954): 32 vertices, not listed, extent 31.639,12.762 31.945,13.039
PB30/LCDDAT19/FLEXCOM0_IO2/TCLK on IN3 "IN3-PB30/LCDDAT19/FLEXCOM0_IO2/TCLK" (solid, remove dead copper, pour order 1973): 34 vertices, not listed, extent 10.492,23.914 10.858,24.351
PB29/LCDDAT18/FLEXCOM0_IO1/TIOB on IN3 "IN3-PB29/LCDDAT18/FLEXCOM0_IO1/TIOB" (solid, remove dead copper, pour order 1967): 34 vertices, not listed, extent 34.489,22.017 34.926,22.383
PB28/LCDDAT17/FLEXCOM0_IO0/TIOA on IN3 "IN3-PB28/LCDDAT17/FLEXCOM0_IO0/TIOA" (solid, remove dead copper, pour order 2049): 34 vertices, not listed, extent 10.361,22.653 10.747,23.039
PB27/LCDDAT16/UTXD0 on IN3 "IN3-PB27/LCDDAT16/UTXD0" (solid, remove dead copper, pour order 1996): 34 vertices, not listed, extent 20.936,18.428 21.322,18.814
PB26/LCDDAT15/URXD0 on IN3 "IN3-PB26/LCDDAT15/URXD0" (solid, remove dead copper, pour order 1971): 34 vertices, not listed, extent 8.967,19.339 9.333,19.776
PB24/LCDDAT13/RK0/TCLK2/FLEXCOM on IN3 "IN3-PB24/LCDDAT13/RK0/TCLK2/FLEXCOM" (solid, remove dead copper, pour order 2048): 34 vertices, not listed, extent 10.361,21.403 10.747,21.789
PB22/LCDDAT11/TD0/TIOA2/FLEXCOM on IN3 "IN3-PB22/LCDDAT11/TD0/TIOA2/FLEXCOM" (solid, remove dead copper, pour order 2026): 34 vertices, not listed, extent 16.486,23.178 16.872,23.564
PB21/LCDDAT10/TF0/TCLK3/FLEXCOM on IN3 "IN3-PB21/LCDDAT10/TF0/TCLK3/FLEXCOM" (solid, remove dead copper, pour order 1970): 34 vertices, not listed, extent 13.967,23.089 14.333,23.526
PB17/LCDDAT6/RD1/I2SDI1 on IN3 "IN3-PB17/LCDDAT6/RD1/I2SDI1" (solid, remove dead copper, pour order 1974): 34 vertices, not listed, extent 21.042,26.649 21.408,27.086
PB17/LCDDAT6/RD1/I2SDI1 on IN3 "IN3-PB17/LCDDAT6/RD1/I2SDI1 1" (solid, remove dead copper, pour order 2040): 34 vertices, not listed, extent 20.936,20.828 21.322,21.214
PB15/LCDDAT4/TF1/I2SCK1 on IN3 "IN3-PB15/LCDDAT4/TF1/I2SCK1" (solid, remove dead copper, pour order 2037): 34 vertices, not listed, extent 20.936,19.228 21.322,19.614
PB13/LCDDAT2/PCK1 on IN3 "IN3-PB13/LCDDAT2/PCK1" (solid, remove dead copper, pour order 1955): 31 vertices, not listed, extent 21.755,27.305 22.041,27.591
PB13/LCDDAT2/PCK1 on IN3 "IN3-PB13/LCDDAT2/PCK1 1" (solid, remove dead copper, pour order 2004): 34 vertices, not listed, extent 21.736,20.828 22.122,21.214
PD01/A24 on IN3 "IN3-PD01/A24" (solid, remove dead copper, pour order 1983): 34 vertices, not listed, extent 31.924,22.767 32.361,23.133
PD01/A24 on IN3 "IN3-PD01/A24 1" (solid, remove dead copper, pour order 1977): 34 vertices, not listed, extent 26.039,20.717 26.476,21.083
PA01/SDMMC0_CMD/QSPI0_CS/D1 on BOTTOM "BOTTOM-PA01/SDMMC0_CMD/QSPI0_CS/D1" (solid, remove dead copper, pour order 2150): 35 vertices, not listed, extent 23.569,11.769 23.981,12.181
PIOBU5 on BOTTOM "BOTTOM-PIOBU5" (solid, remove dead copper, pour order 2174): 35 vertices, not listed, extent 11.369,5.019 11.781,5.431
PIOBU5 on BOTTOM "BOTTOM-PIOBU5 1" (solid, remove dead copper, pour order 2160): 35 vertices, not listed, extent 21.719,12.569 22.131,12.981
PD19/PCK0/TWD1/AD0 on BOTTOM "BOTTOM-PD19/PCK0/TWD1/AD0" (solid, remove dead copper, pour order 2148): 35 vertices, not listed, extent 14.794,4.894 15.206,5.306
PD20/TIOA2/TWCK1/AD1 on BOTTOM "BOTTOM-PD20/TIOA2/TWCK1/AD1" (solid, remove dead copper, pour order 2137): 35 vertices, not listed, extent 12.113,11.808 12.487,12.266
PD29/JTAG_TDO on BOTTOM "BOTTOM-PD29/JTAG_TDO" (solid, remove dead copper, pour order 2146): 35 vertices, not listed, extent 8.763,2.958 9.137,3.416
PD28/JTAG_TDI on BOTTOM "BOTTOM-PD28/JTAG_TDI" (solid, remove dead copper, pour order 2175): 35 vertices, not listed, extent 20.119,13.619 20.531,14.031
PA14/SPI0_SPCK/TK1/QSPI0_SCK/I2 on BOTTOM "BOTTOM-PA14/SPI0_SPCK/TK1/QSPI0_SCK/I2" (solid, remove dead copper, pour order 2143): 35 vertices, not listed, extent 35.234,13.863 35.692,14.237
SHDN on BOTTOM "BOTTOM-SHDN" (solid, remove dead copper, pour order 2136): 35 vertices, not listed, extent 16.513,4.184 16.887,4.642
SHDN on BOTTOM "BOTTOM-SHDN 1" (solid, remove dead copper, pour order 2133): 35 vertices, not listed, extent 15.813,8.708 16.187,9.166
NRST on BOTTOM "BOTTOM-NRST" (solid, remove dead copper, pour order 2155): 35 vertices, not listed, extent 10.869,3.269 11.281,3.681
NRST on BOTTOM "BOTTOM-NRST 1" (solid, remove dead copper, pour order 2157): 35 vertices, not listed, extent 15.169,4.369 15.581,4.781
PA16/SPI0_MISO/TD1/QSPI0_IO0/I2 on BOTTOM "BOTTOM-PA16/SPI0_MISO/TD1/QSPI0_IO0/I2" (solid, remove dead copper, pour order 2159): 35 vertices, not listed, extent 27.569,12.819 27.981,13.231
ETH_LED0 on BOTTOM "BOTTOM-ETH_LED0" (solid, remove dead copper, pour order 2163): 35 vertices, not listed, extent 8.919,11.419 9.331,11.831
PB04/UTXD4/FIQ/CLASSD_R3 on BOTTOM "BOTTOM-PB04/UTXD4/FIQ/CLASSD_R3" (solid, remove dead copper, pour order 2126): 35 vertices, not listed, extent 23.934,30.613 24.392,30.987
PA27/TIOA1/D5/SPI0_NPCS2/SPI1_N on BOTTOM "BOTTOM-PA27/TIOA1/D5/SPI0_NPCS2/SPI1_N" (solid, remove dead copper, pour order 2154): 35 vertices, not listed, extent 30.769,10.169 31.181,10.581
PA15/SPI0_MOSI/TF1/QSPI0_CS/I2S on BOTTOM "BOTTOM-PA15/SPI0_MOSI/TF1/QSPI0_CS/I2S" (solid, remove dead copper, pour order 2128): 35 vertices, not listed, extent 36.063,12.034 36.437,12.492
PA18/SPI0_NPCS1/RK1/QSPI0_IO2/I on BOTTOM "BOTTOM-PA18/SPI0_NPCS1/RK1/QSPI0_IO2/I" (solid, remove dead copper, pour order 2129): 35 vertices, not listed, extent 37.213,8.734 37.587,9.192
LOWQ# on BOTTOM "BOTTOM-LOWQ#" (solid, remove dead copper, pour order 2164): 35 vertices, not listed, extent 11.414,28.619 11.826,29.031
LOWQ# on BOTTOM "BOTTOM-LOWQ# 1" (solid, remove dead copper, pour order 2140): 35 vertices, not listed, extent 6.934,27.863 7.392,28.237
PA22/FLEXCOM1_IO2/SPI1_SPCK/SDM on BOTTOM "BOTTOM-PA22/FLEXCOM1_IO2/SPI1_SPCK/SDM" (solid, remove dead copper, pour order 2142): 35 vertices, not listed, extent 36.663,9.484 37.037,9.942
PB00/SPI0_MOSI/PWMH1 on BOTTOM "BOTTOM-PB00/SPI0_MOSI/PWMH1" (solid, remove dead copper, pour order 2132): 35 vertices, not listed, extent 22.234,26.213 22.692,26.587
PD02/URXD1/A25 on BOTTOM "BOTTOM-PD02/URXD1/A25" (solid, remove dead copper, pour order 2172): 35 vertices, not listed, extent 25.219,26.069 25.631,26.481
PD25/AD6 on BOTTOM "BOTTOM-PD25/AD6" (solid, remove dead copper, pour order 2141): 35 vertices, not listed, extent 37.334,19.013 37.792,19.387
PB01/SPI0_SPCK/PWML1/CLASSD_R0 on BOTTOM "BOTTOM-PB01/SPI0_SPCK/PWML1/CLASSD_R0" (solid, remove dead copper, pour order 2122): 35 vertices, not listed, extent 25.134,28.768 25.59,29.126
PC30/FLEXCOM4_IO2/A19 on BOTTOM "BOTTOM-PC30/FLEXCOM4_IO2/A19" (solid, remove dead copper, pour order 2170): 35 vertices, not listed, extent 23.869,26.669 24.281,27.081
PB03/URXD4/IRQ/PWMEXTRG0/CLASSD on BOTTOM "BOTTOM-PB03/URXD4/IRQ/PWMEXTRG0/CLASSD" (solid, remove dead copper, pour order 2120): 25.134,29.476 24.85,29.64 24.735,29.556 24.88,29.42 25.102,29.42 25.134,29.476
PD00/FLEXCOM4_IO4/UTXD3/A23 on BOTTOM "BOTTOM-PD00/FLEXCOM4_IO4/UTXD3/A23" (solid, remove dead copper, pour order 2161): 35 vertices, not listed, extent 23.869,27.369 24.281,27.781

## Text inside footprints (layer, text, board x,y; h text height)
R12: PIN_NUMBER "1" at 14.65,7.542 h0.64; PIN_NUMBER "2" at 15.8,8.05 h0.64
R13: PIN_NUMBER "1" at 22.642,7.35 h0.64 r270; PIN_NUMBER "2" at 23.15,6.2 h0.64 r270
R14: PIN_NUMBER "2" at 18.826,6.088 h0.64 r270; PIN_NUMBER "1" at 19.334,6.785 h0.64 r270
R15: PIN_NUMBER "1" at 16.15,7.542 h0.64; PIN_NUMBER "2" at 17.3,8.05 h0.64
R16: PIN_NUMBER "1" at 23.642,7.35 h0.64 r270; PIN_NUMBER "2" at 24.15,6.2 h0.64 r270
R17: PIN_NUMBER "1" at 21.15,4.392 h0.64; PIN_NUMBER "2" at 22.3,4.9 h0.64
R18: PIN_NUMBER "1" at 29.95,25.608 h0.64 r180; PIN_NUMBER "2" at 28.8,25.1 h0.64 r180
R19: PIN_NUMBER "1" at 35.9,17.892 h0.64; PIN_NUMBER "2" at 37.05,18.4 h0.64
R20: PIN_NUMBER "1" at 35.9,16.892 h0.64; PIN_NUMBER "2" at 37.05,17.4 h0.64
R21: PIN_NUMBER "1" at 31.45,25.608 h0.64 r180; PIN_NUMBER "2" at 30.3,25.1 h0.64 r180
R22: PIN_NUMBER "1" at 7.4,18.892 h0.64; PIN_NUMBER "2" at 8.55,19.4 h0.64
R23: PIN_NUMBER "1" at 7.4,23.892 h0.64; PIN_NUMBER "2" at 8.55,24.4 h0.64
R24: PIN_NUMBER "1" at 5.9,18.892 h0.64; PIN_NUMBER "2" at 7.05,19.4 h0.64
R25: PIN_NUMBER "1" at 5.9,23.892 h0.64; PIN_NUMBER "2" at 7.05,24.4 h0.64
R26: PIN_NUMBER "1" at 8.6,23.108 h0.64 r180; PIN_NUMBER "2" at 7.45,22.6 h0.64 r180
R27: PIN_NUMBER "1" at 8.6,26.108 h0.64 r180; PIN_NUMBER "2" at 7.45,25.6 h0.64 r180
R28: PIN_NUMBER "1" at 26.142,33.35 h0.64 r270; PIN_NUMBER "2" at 26.65,32.2 h0.64 r270
R29: PIN_NUMBER "1" at 23.142,33.35 h0.64 r270; PIN_NUMBER "2" at 23.65,32.2 h0.64 r270
R30: PIN_NUMBER "1" at 29.142,33.35 h0.64 r270; PIN_NUMBER "2" at 29.65,32.2 h0.64 r270
R31: PIN_NUMBER "1" at 32.142,33.35 h0.64 r270; PIN_NUMBER "2" at 32.65,32.2 h0.64 r270
R32: PIN_NUMBER "1" at 28.142,33.35 h0.64 r270; PIN_NUMBER "2" at 28.65,32.2 h0.64 r270
R33: PIN_NUMBER "1" at 35.242,31.85 h0.64 r270; PIN_NUMBER "2" at 35.75,30.7 h0.64 r270
R34: PIN_NUMBER "1" at 34.9,30.142 h0.64; PIN_NUMBER "2" at 36.05,30.65 h0.64
R35: PIN_NUMBER "1" at 35.108,26.9 h0.64 r90; PIN_NUMBER "2" at 34.6,28.05 h0.64 r90
R36: PIN_NUMBER "1" at 27.142,33.35 h0.64 r270; PIN_NUMBER "2" at 27.65,32.2 h0.64 r270
R37: PIN_NUMBER "1" at 31.142,33.35 h0.64 r270; PIN_NUMBER "2" at 31.65,32.2 h0.64 r270
R38: PIN_NUMBER "1" at 30.142,33.35 h0.64 r270; PIN_NUMBER "2" at 30.65,32.2 h0.64 r270
R39: PIN_NUMBER "1" at 36.1,32.608 h0.64 r180; PIN_NUMBER "2" at 34.95,32.1 h0.64 r180
R40: PIN_NUMBER "1" at 24.142,33.35 h0.64 r270; PIN_NUMBER "2" at 24.65,32.2 h0.64 r270
R41: PIN_NUMBER "1" at 25.142,33.35 h0.64 r270; PIN_NUMBER "2" at 25.65,32.2 h0.64 r270
R42: PIN_NUMBER "1" at 31.358,33.4 h0.64 r90; PIN_NUMBER "2" at 30.85,34.55 h0.64 r90
R43: PIN_NUMBER "1" at 35.358,33.4 h0.64 r90; PIN_NUMBER "2" at 34.85,34.55 h0.64 r90
R44: PIN_NUMBER "1" at 36.1,34.108 h0.64 r180; PIN_NUMBER "2" at 34.95,33.6 h0.64 r180
R45: PIN_NUMBER "1" at 32.358,33.4 h0.64 r90; PIN_NUMBER "2" at 31.85,34.55 h0.64 r90
R46: PIN_NUMBER "1" at 26.358,33.4 h0.64 r90; PIN_NUMBER "2" at 25.85,34.55 h0.64 r90
R47: PIN_NUMBER "1" at 29.358,33.4 h0.64 r90; PIN_NUMBER "2" at 28.85,34.55 h0.64 r90
R48: PIN_NUMBER "1" at 11.65,7.892 h0.64; PIN_NUMBER "2" at 12.8,8.4 h0.64
R49: PIN_NUMBER "1" at 9.892,5.1 h0.64 r270; PIN_NUMBER "2" at 10.4,3.95 h0.64 r270
R50: PIN_NUMBER "2" at 11.774,4.412 h0.64 r90; PIN_NUMBER "1" at 11.266,3.715 h0.64 r90
R51: PIN_NUMBER "1" at 12.85,10.008 h0.64 r180; PIN_NUMBER "2" at 11.7,9.5 h0.64 r180
R52: PIN_NUMBER "1" at 10.858,11.65 h0.64 r90; PIN_NUMBER "2" at 10.35,12.8 h0.64 r90
R53: PIN_NUMBER "1" at 9.858,11.65 h0.64 r90; PIN_NUMBER "2" at 9.35,12.8 h0.64 r90
TP1: PIN_NUMBER "1" at 3.86,29.8 h0.5 r180
TP2: PIN_NUMBER "1" at 15.86,29 h0.5 r180
TP3: PIN_NUMBER "1" at 7.86,16.2 h0.5 r180
TP4: PIN_NUMBER "1" at 30.26,4.2 h0.5 r180
TP5: PIN_NUMBER "1" at 1.46,33 h0.5 r180
TP6: PIN_NUMBER "1" at 3.06,14.6 h0.5 r180
TP7: PIN_NUMBER "1" at 11.86,3.4 h0.5 r180
TP8: PIN_NUMBER "1" at 20.66,4.2 h0.5 r180
TP9: PIN_NUMBER "1" at 5.46,15.4 h0.5 r180
TP10: PIN_NUMBER "1" at 2.26,11.4 h0.5 r180
TP11: PIN_NUMBER "1" at 17.06,34 h0.5
TP12: PIN_NUMBER "1" at 20.31,34 h0.5
TP13: PIN_NUMBER "1" at 33.06,34.25 h0.5
U1: PIN_NUMBER "15" at 8.601,28.358 h0.64 r90; PIN_NUMBER "16" at 9.402,28.358 h0.64 r90; PIN_NUMBER "8" at 7.289,33.493 h0.64 r180; PIN_NUMBER "5" at 8.889,33.493 h0.64 r180; PIN_NUMBER "12" at 4.526,29.667 h0.64 r180; PIN_NUMBER "11" at 4.526,30.418 h0.64 r180; PIN_NUMBER "13" at 7.001,28.358 h0.64 r90; PIN_NUMBER "2" at 11.084,30.653 h0.64 r90; PIN_NUMBER "14" at 7.752,28.358 h0.64 r90; PIN_NUMBER "1" at 11.084,30.203 h0.64 r90; PIN_NUMBER "17" at 7.301,31.117 h0.64 r180; PIN_NUMBER "3" at 11.134,31.203 h0.64 r90; PIN_NUMBER "4" at 11.184,31.853 h0.64 r90; PIN_NUMBER "7" at 7.839,33.493 h0.64 r180; PIN_NUMBER "6" at 8.339,33.493 h0.64 r180; PIN_NUMBER "9" at 5.314,32.018 h0.64 r180; PIN_NUMBER "10" at 4.526,31.217 h0.64 r180